# KiCad board Turbo_XT_Mainboard R3.kicad_pcb (continued)
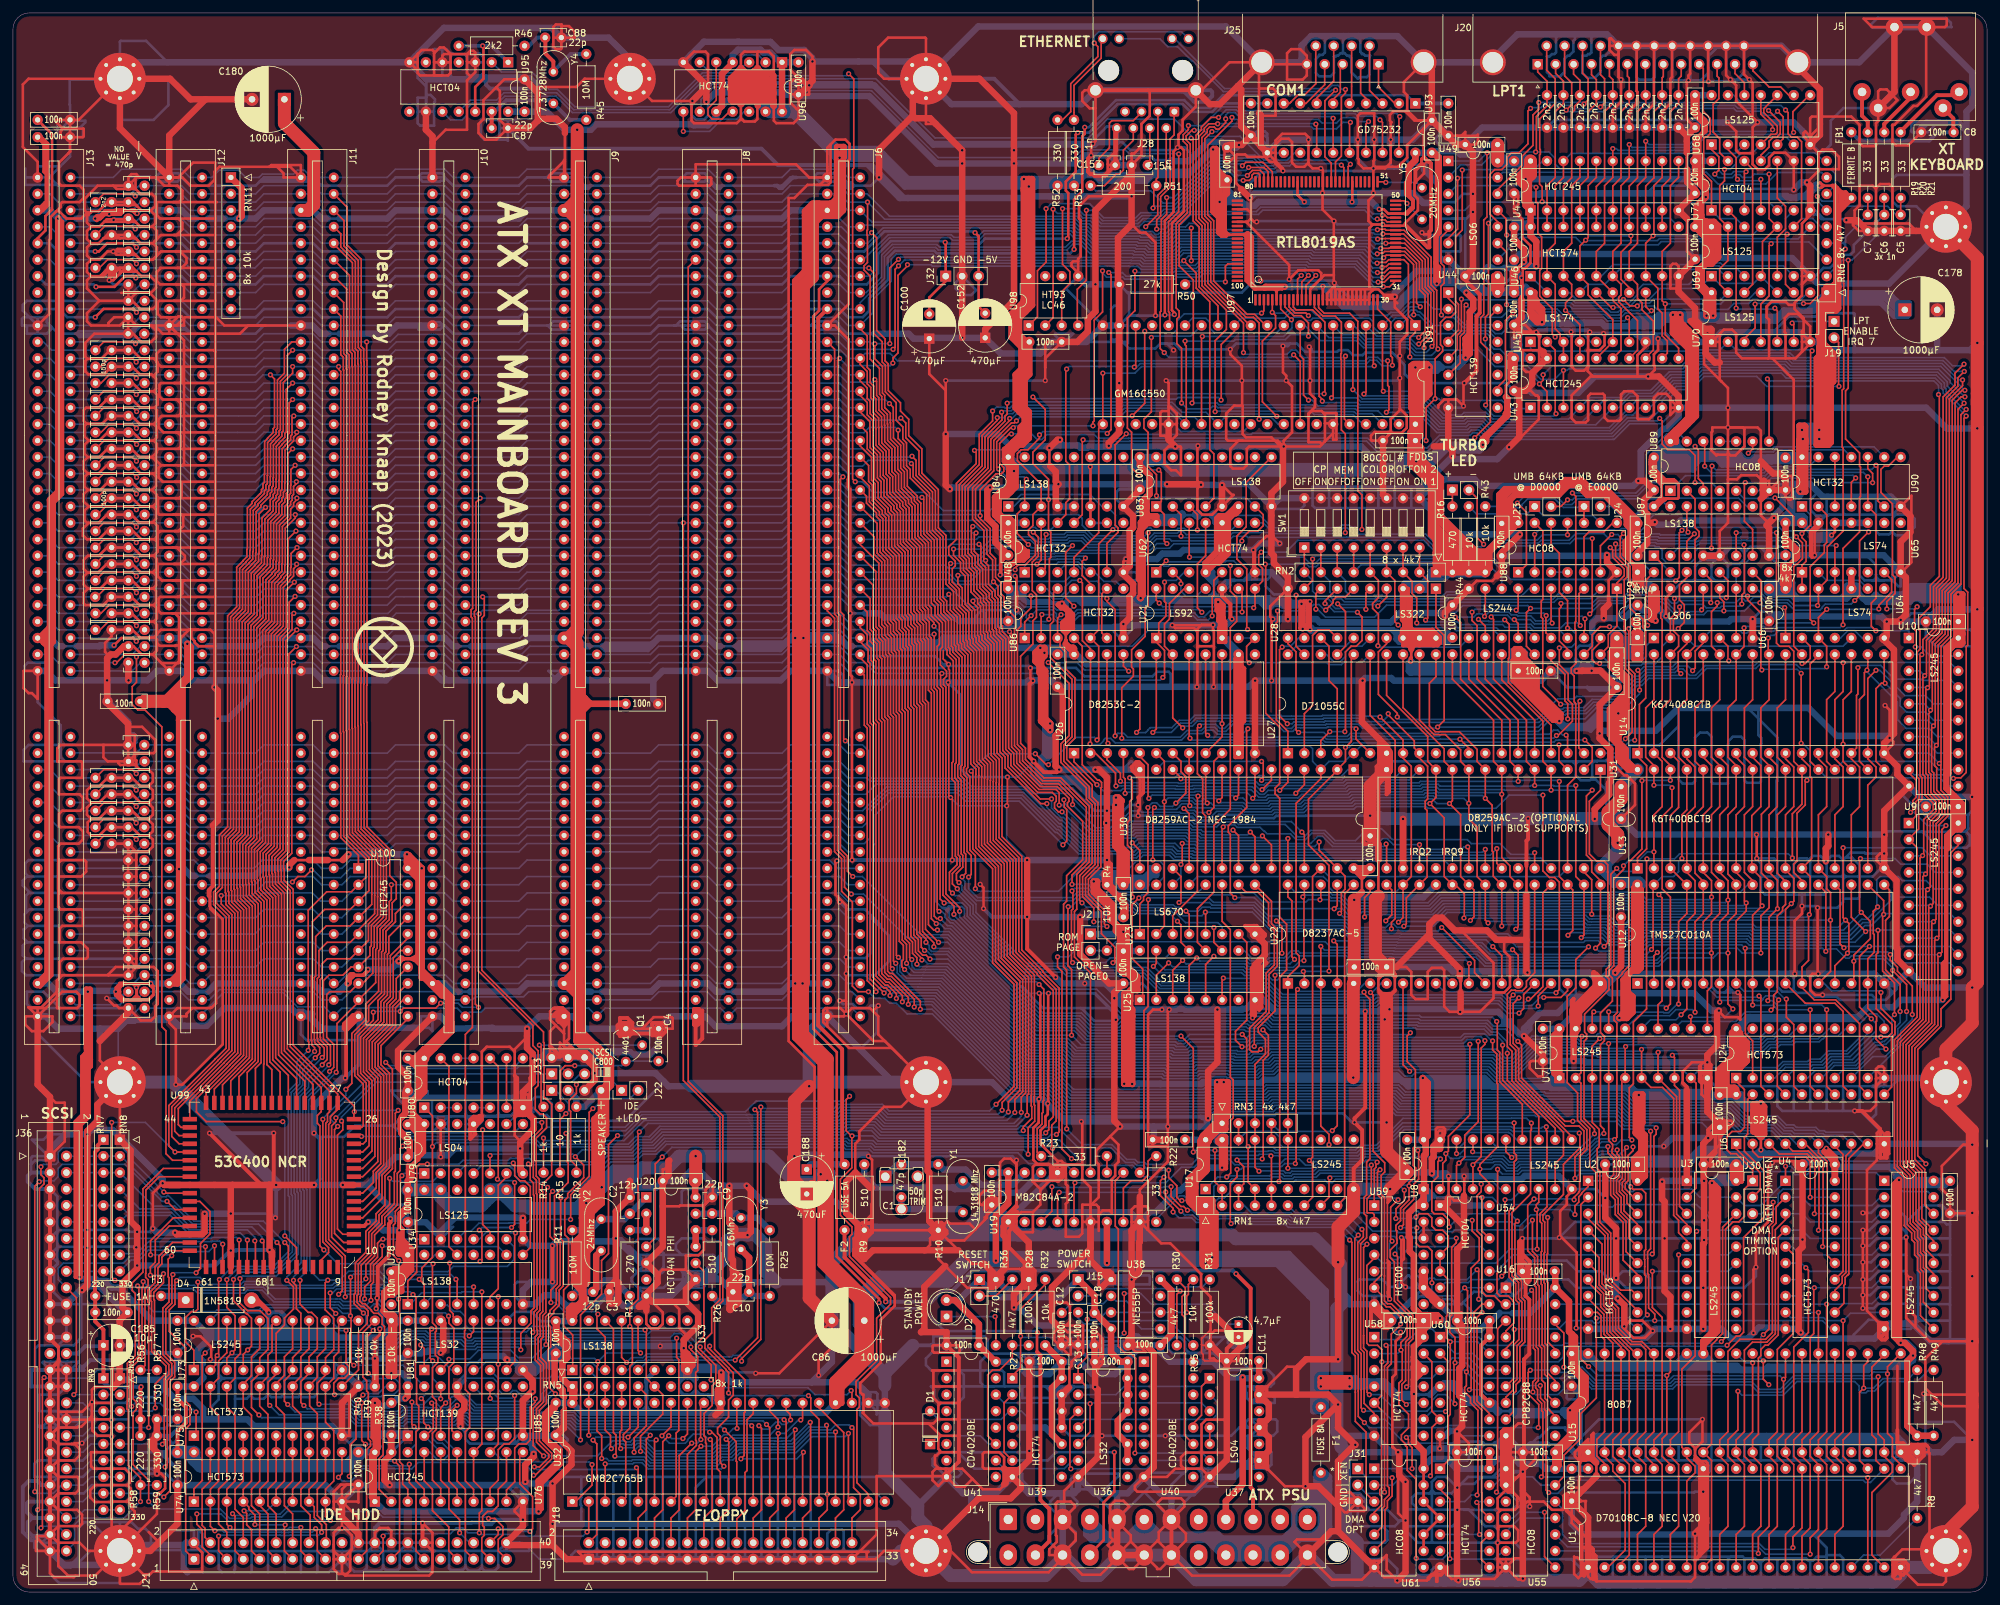
[diagram p0: board, top side]
## Routing (per net, layer and track width the routed paths; a pad name or vN(x,y) marks a point on that pad's centre or on a via; arc(x,y) is an arc through that point) (continued)
/BA2: length 358.7
  Top w0.25: v1(68.96,9.14) 68.96,11.18 67.31,12.83 67.31,16 66.04,17.27 U76.16 ; v1(64.64,29.19) 64.88,28.95 64.88,25.27 63.74,24.13 U85.2 ; v1(151.98,181.34) 151.98,180.94 149.64,178.59 149.64,173.89 146.57,170.82 146.57,160.01 147.2,159.38 147.2,157.99 147.92,157.27 147.92,154.42 148.94,153.4 148.94,152.67 149.39,152.22 149.39,147.93 149.61,147.71 149.61,147.03 150.58,146.06 150.58,129.01 151.38,128.21 151.38,125.16 151.36,125.13 151.36,116.06 154.41,113 154.41,98.59 157.71,95.28 157.71,76.53 157.67,76.48 157.67,75.25 157.76,75.16 157.76,72.71 156.75,71.7 v1(156.75,67.6) ; U91.26 181.16,180.52 181.16,192.42 180.97,192.6 v1(180.97,193.17) ; v1(84.56,60.89) 84.56,54.54 84.94,54.17 84.94,47.23 84.33,46.63 84.33,44.27 83.49,43.42 83.49,43.1 82.69,42.3 82.69,41.28 82.99,40.97 82.99,40.04 83.02,40.02 83.02,37.86 82.64,37.49 82.64,35.73 82.81,35.56 82.81,31.56 v1(83.76,30.61) ; U97.8 196.39,198.44 197.75,197.09 198.91,197.09 200.03,195.97 v1(200.03,193.93)
  Bottom w0.25: U91.26 180.97,180.44 178.61,182.8 171.63,182.8 171.19,182.37 154.75,182.37 154.33,181.95 153.57,181.95 152.96,181.34 v1(151.98,181.34) ; v1(68.96,9.14) 70.48,7.62 J21.36 ; v1(180.97,193.17) 188.49,193.17 188.72,193.4 196.45,193.4 197.23,194.18 199.77,194.18 v1(200.03,193.93) ; v1(84.56,60.89) 86.79,60.89 92.33,66.42 96.09,66.42 97.29,67.62 99.38,67.62 100.9,69.15 128.44,69.15 128.78,68.82 132.42,68.82 132.95,68.29 156.07,68.29 v1(156.75,67.6) ; U85.2 U76.16 ; U33.2 90.17,33.02 90.17,31.12 89.53,30.48 83.89,30.48 v1(83.76,30.61) 83.51,30.61 82.55,29.65 82.55,29.28 81.31,28.03 71.15,28.03 69.46,29.72 68.4,29.72 67.16,28.48 66.06,28.48 65.35,29.19 v1(64.64,29.19)
/BA3: length 359.5
  Top w0.25: v1(186.54,184.06) 186.56,184.08 186.56,192.66 188.59,194.69 U91.12 ; v1(66.81,29.2) 66.04,28.44 U85.3 ; 90.3,42.93 v1(90.31,42.91) 90.17,42.76 90.17,40.64 91.44,39.37 U33.3 ; v1(153.51,183.58) 153.51,181.91 153.17,181.57 153.17,180.82 150.54,178.19 150.54,173.52 147.47,170.45 147.47,160.39 148.1,159.75 148.1,158.36 148.82,157.64 148.82,154.88 149.84,153.85 149.84,153.04 150.29,152.59 150.29,148.3 150.51,148.08 150.51,147.4 151.48,146.43 151.48,129.38 152.28,128.59 152.28,124.78 152.26,124.76 152.26,116.48 155.31,113.42 155.31,98.96 158.61,95.66 158.61,95.53 161.07,93.07 161.07,72.76 160.39,72.08 160.39,68.65 v1(160.52,68.52) ; v1(200.02,197.1) 199.58,197.54 197.93,197.54 197.04,198.43 U97.9 ; J21.35 69.85,6.35 69.85,15.88 68.58,17.14 U76.15 ; v1(83.06,44.7) 83.06,46.63 84.04,47.61 84.04,53.79 82.93,54.9 82.93,61.48 v1(83.33,61.88)
  Bottom w0.25: U76.15 U85.3 ; v1(66.81,29.2) 67.78,30.17 69.65,30.17 71.34,28.48 81.06,28.48 82.1,29.52 82.1,30.02 85.1,33.02 87.28,33.02 87.63,33.37 87.63,34.69 88.36,35.42 89.43,35.42 90.55,34.29 U33.3 ; v1(200.02,197.1) 199.62,197.5 197.12,197.5 196.33,196.71 189.72,196.71 U91.12 ; v1(83.33,61.88) 87.02,61.88 92.02,66.87 95.9,66.87 97.11,68.07 99.19,68.07 100.72,69.6 128.63,69.6 128.96,69.27 132.61,69.27 133.14,68.74 160.31,68.74 v1(160.52,68.52) ; v1(83.06,44.7) 83.75,44.7 85.15,43.31 89.91,43.31 v1(90.31,42.91) ; v1(153.51,183.58) 153.72,183.79 170.7,183.79 171.12,184.21 179.64,184.21 179.89,184.46 186.14,184.46 v1(186.54,184.06)
/CLK: length 556
  Top w0.25: v1(226.06,14.99) 226.19,15.11 226.19,28.07 225.04,29.21 225.04,30.02 224.55,30.52 224.52,30.52 224.14,30.89 224.14,31.59 224.41,31.86 224.41,33.99 v1(224.41,33.99) 224.58,34.16 224.58,46.54 v1(224.14,46.98) ; v1(140.35,169.04) 140.62,168.76 140.62,163.41 141.8,162.23 141.8,152.72 142.37,152.15 142.37,150.81 143.51,149.66 143.51,145.92 143.19,145.6 143.19,143.16 144.15,142.19 144.15,141.41 143.67,140.94 143.67,140.11 144.05,139.74 144.05,107.81 146.17,105.69 v1(146.17,105.12) ; v1(66.04,90.93) 65.28,90.17 60.29,90.17 v1(59.79,89.67) ; 233.04,69.85 233.04,75.31 229.55,78.81 229.55,83.35 229.18,83.72 229.18,88.01 v1(229.09,88.1) ; v1(216.92,68.2) 217.04,68.07 217.04,63.75 216.28,62.99 216.28,60.65 214.7,59.06 214.7,56.71 v1(214.25,56.26) ; v1(19.06,169.55) 18.44,170.18 14.2,170.18 12.93,168.91 C113.2 ; v1(219.09,47.75) 219.09,52.69 218.44,53.34 217.17,53.34 216.68,53.83 216.68,56.15 v1(216.75,56.23) ; U99.23 54.08,69.22 54.53,69.67 54.53,78.62 53.22,79.93 53.22,85.88 55.64,88.3 v1(55.64,89.53) ; v1(72.14,168.91) 71.5,168.27 71.5,151.64 71.25,151.38 71.25,150.71 71.39,150.57 71.39,90.79 v1(71.88,90.3)
  Bottom w0.25: v1(140.35,169.04) 128.9,169.04 127.76,170.18 J6.20 120.01,170.18 118.75,168.91 108.58,168.91 107.31,170.18 J8.20 99.69,170.18 98.42,168.91 88.26,168.91 86.99,170.18 J9.20 79.38,170.18 78.1,168.91 v1(72.14,168.91) 67.95,168.91 66.67,170.18 J10.20 59.06,170.18 57.79,168.91 47.62,168.91 46.35,170.18 J11.20 38.73,170.18 37.46,168.91 27.3,168.91 26.03,170.18 J12.20 19.68,170.18 19.06,169.56 v1(19.06,169.55) ; v1(71.88,90.3) 69.38,90.3 68.75,90.93 v1(66.04,90.93) ; v1(216.92,68.2) 217.39,68.67 223.37,68.67 224.15,69.45 224.15,70.25 224.88,70.98 230.95,70.98 231.06,70.86 231.16,70.86 232.17,69.85 233.04,69.85 ; J13.20 5.71,170.18 6.98,168.91 C113.2 ; U58.3 215.9,34.29 217.17,33.02 219.07,33.02 U60.3 224.12,34.29 v1(224.41,33.99) 226.66,31.75 U60.11 ; v1(214.25,56.26) 216.72,56.26 v1(216.75,56.23) ; v1(226.06,14.99) 225.17,14.99 224.15,13.97 U56.3 ; v1(146.17,105.12) 146.17,104.27 155.75,94.68 158.81,94.68 160.4,93.09 167.31,93.09 171.29,89.11 190.78,89.11 191.04,89.37 194.06,89.37 194.71,88.72 211.06,88.72 211.59,89.24 212.06,89.24 212.26,89.04 217.16,89.04 217.43,88.77 228.42,88.77 v1(229.09,88.1) ; v1(55.64,89.53) 55.77,89.67 v1(59.79,89.67) ; v1(219.09,47.75) 219.09,46.58 219.93,45.74 222.9,45.74 v1(224.14,46.98) 224.15,46.99 U54.9
/COM1_CTS: length 10
  Top w0.25: J25.8 203.92,233.31 201.29,230.69 U93.7
/COM1_DCD: length 7.7
  Top w0.25: 214,229.87 213.36,229.87 210.84,232.38 J25.1
/COM1_DSR: length 9.7
  Top w0.25: J25.6 209.46,231.87 U93.3
/COM1_DTR: length 8.1
  Top w0.25: U93.8 199.63,229.87 201.93,232.17 201.94,232.17 202.53,232.76 J25.4
/COM1_RI: length 12.1
  Top w0.25: J25.9 201.15,232.9 199.39,231.14 198.36,231.14 197.36,230.14 197.36,230.12 197.1,229.87 U93.9
/COM1_RTS: length 9
  Top w0.25: 206.38,229.87 206.69,230.19 J25.7
/COM1_RX: length 6.4
  Top w0.25: U93.4 208.91,230.63 208.07,231.47 J25.2
/COM1_SIN: length 65.3
  Top w0.25: 193.68,195.58 193.44,195.58 191.72,197.3 190.56,197.3 185.4,202.46 185.4,211.73 184.47,212.66 184.47,223.4 188.21,227.15 v1(188.21,227.71) ; v1(209.3,227.08) 208.91,226.69 U93.17
  Bottom w0.25: v1(188.21,227.71) 188.53,227.39 201.57,227.39 202.12,226.84 204.37,226.84 205.2,227.67 207.23,227.67 207.83,227.08 v1(209.3,227.08)
/COM1_SOUT: length 61
  Top w0.25: U91.11 191.01,195.58 184.5,202.09 184.5,211.36 183.57,212.29 183.57,224.6 184.39,225.42 184.39,225.86 184.77,226.23 185.46,226.23 185.8,225.9 186.21,225.9 187.24,226.92 v1(187.24,227.49) ; U93.15 v1(203.83,227.57)
  Bottom w0.25: v1(187.24,227.49) 187.24,228.05 187.62,228.44 188.69,228.44 189.28,227.84 203.56,227.84 v1(203.83,227.57)
/COM1_TX: length 6.7
  Top w0.25: U93.6 203.83,230.48 204.94,231.59 204.94,235.56 J25.3
/CPU_CLK: length 192.7
  Top w0.25: U16.2 230,44.45 228.73,45.72 227.46,45.72 226.82,46.36 226.82,51.05 226.84,51.07 226.84,54.97 226.06,55.75 226.06,61.2 226.69,61.83 v1(226.69,62.99) ; U1.19 287.02,5.71 287.02,15.37 290.19,18.54 290.19,19.69 288.93,20.95 U15.19 288.93,23.5 287.99,24.43 v1(287.99,33.25) ; v1(234.67,30.89) 234.65,30.92 234.65,32.41 235.07,32.83 235.07,37.35 234.75,37.67 234.75,46.33 v1(234.47,46.61)
  Bottom w0.25: v1(287.99,33.25) 287.7,32.96 275.15,32.96 273.03,30.85 269.48,30.85 268.33,31.99 256.89,31.99 256.26,31.37 243.76,31.37 242.11,33.02 240.03,33.02 239.39,32.38 239.39,31.35 238.53,30.49 235.07,30.49 v1(234.67,30.89) ; v1(234.47,46.61) 232.32,44.45 U16.2 ; R22.2 176.53,57.59 180.12,61.18 180.82,61.18 181.03,60.96 185.17,60.96 185.42,61.21 185.42,62.63 186.15,63.36 187.75,63.36 188.2,63.81 194.22,63.81 194.54,64.12 195.82,64.12 196.13,63.82 197.57,63.82 197.83,64.08 201.24,64.08 201.83,64.67 210.54,64.67 210.73,64.49 213.74,64.49 214.76,63.47 216,63.47 216.08,63.39 226.29,63.39 v1(226.69,62.99) 227.09,63.39 228.47,63.39 229.63,62.23 U8.6
/D0: length 774.3
  Top w0.25: v1(215.68,190.72) 215.68,193.67 216.53,194.53 U91.1 216.53,195.94 215.45,197.02 215.45,205.04 214.76,205.74 212.42,205.74 211.99,205.32 210.74,205.32 v1(210.62,205.19) ; v1(102.47,39.2) 102.47,36.24 102.81,35.9 102.81,24.96 102.4,24.55 102.4,14.77 U32.7 ; v1(301.24,189.61) 299.85,188.21 299.85,186.38 298.01,184.54 298.01,156.69 296.53,155.21 296.53,148.71 294.9,147.07 294.9,144.93 v1(294.72,144.75) 294.45,144.48 294.45,126.05 294.76,125.74 294.76,122.36 294.23,121.83 294.23,117.83 292.74,116.33 U9.2 294,114.94 294,88.78 290.5,85.28 290.5,65.5 292.04,63.97 292.04,56.57 293.17,55.44 293.17,54.41 293.62,53.96 293.62,52.05 294.07,51.6 294.07,49.7 294.51,49.26 294.51,42.67 296.54,40.64 ; v1(45.59,83.65) 45.68,83.75 45.68,84.93 45.59,85.03 45.59,105.28 48.44,108.13 52.25,108.13 U100.2 54.51,110.39 54.51,113.25 51.07,116.69 51.07,132.79 51.01,132.85 51.01,141.47 51.07,141.53 51.07,188.67 51.01,188.73 51.01,190.67 50.62,191.06 50.62,197.03 J11.40 ; v1(236.26,187.97) 236.26,187.13 v1(235.68,186.55) 236.85,185.38 U43.2 ; v1(31.88,48.26) 31.75,48.13 31.75,36.75 v1(31.53,36.53) 31.28,36.28 31.28,35.09 U73.2
  Bottom w0.25: v1(301.24,189.61) 300.99,189.36 299.47,189.36 298.21,190.61 275.1,190.61 274.34,191.36 259.68,191.36 257.69,189.37 237.67,189.37 v1(236.26,187.97) ; v1(45.59,83.65) 43.84,81.9 43.84,78.65 42.51,77.31 42.51,61.22 42.7,61.03 42.7,52.73 40.25,50.29 33.91,50.29 v1(31.88,48.26) ; v1(102.47,39.2) 102.11,38.84 85.04,38.84 85,38.8 82.79,38.8 82.61,38.98 81.58,38.98 80.9,38.3 71.57,38.3 71.2,37.93 69.64,37.93 69.03,38.54 63.64,38.54 63.22,38.96 60.58,38.96 58.55,36.93 37.84,36.93 37.12,36.21 31.85,36.21 v1(31.53,36.53) ; v1(215.68,190.72) 215.96,190.44 219.58,190.44 220.91,191.77 226.28,191.77 228.8,189.25 230.42,189.25 230.82,188.85 233.55,188.85 235.68,186.72 v1(235.68,186.55) ; v1(210.62,205.19) 210.06,205.19 208.39,206.86 200.92,206.86 200.57,207.21 180.56,207.21 179.56,206.21 178.45,206.21 178.28,206.04 174.9,206.04 174.43,206.51 173.04,206.51 172.86,206.69 166.29,206.69 164.85,208.13 163.62,208.13 162.72,207.24 142.87,207.24 142.47,207.64 135.96,207.64 134.56,206.24 134.56,202.84 130.81,199.1 J6.40 128.9,198.12 127.63,199.39 120.01,199.39 118.75,198.12 J8.40 108.58,198.12 107.31,199.39 99.69,199.39 98.42,198.12 J9.40 88.26,198.12 86.99,199.39 79.38,199.39 78.1,198.12 J10.40 67.94,198.12 66.67,199.39 59.05,199.39 57.78,198.12 J11.40 47.62,198.12 46.35,199.39 38.73,199.39 37.46,198.12 J12.40 27.3,198.12 26.03,199.39 C122.1 19.59,199.39 18.32,198.12 J13.40 ; U10.2 294.69,144.78 v1(294.72,144.75)
/D1: length 774.4
  Top w0.25: U32.8 104.14,21.27 105.52,22.64 105.52,23.34 105.41,23.45 105.41,33.89 105.73,34.2 105.73,36.37 104.67,37.43 v1(104.67,37.85) ; U73.3 33.02,36.14 v1(33.82,36.94) 34.29,37.41 34.29,42.67 33.02,43.94 v1(33.02,48.23) ; 296.54,43.18 294.96,44.76 294.96,49.44 294.52,49.89 294.52,51.79 294.07,52.24 294.07,54.14 293.62,54.59 293.62,55.62 292.49,56.76 292.49,64.16 290.95,65.69 290.95,85.09 294.45,88.59 294.45,113.32 v1(294.85,113.72) 295.02,113.89 295.02,119.29 296.48,120.74 296.48,121.83 295.23,123.08 295.23,125.91 294.9,126.24 294.9,141.23 v1(295.17,141.51) 295.45,141.78 295.45,146.99 296.98,148.52 296.98,155.02 298.52,156.56 298.52,184.41 300.3,186.19 300.3,187.5 v1(301.28,188.48) ; v1(216.28,197.23) 216.26,197.25 216.26,205 214.81,206.44 212.04,206.44 v1(211.64,206.04) ; v1(46.57,83.49) 46.57,84.05 46.13,84.5 46.13,85.12 46.08,85.17 46.08,95.11 46.23,95.26 46.23,103.5 48.13,105.41 52.07,105.41 U100.3 54.96,108.3 54.96,113.43 51.52,116.88 51.52,132.97 51.46,133.03 51.46,141.29 51.52,141.35 51.52,188.85 51.46,188.91 51.46,190.86 51.07,191.25 51.07,199.12 J11.39 ; U43.3 v1(239.39,188.65)
  Bottom w0.25: v1(104.67,37.85) 104.67,38.41 103.16,39.93 102.12,39.93 101.49,39.29 84.86,39.29 84.82,39.25 82.98,39.25 82.79,39.43 81.29,39.43 80.6,38.75 71.36,38.75 70.99,38.38 69.82,38.38 69.22,38.99 63.83,38.99 63.41,39.41 60.39,39.41 58.36,37.38 37.65,37.38 36.93,36.66 34.1,36.66 v1(33.82,36.94) ; J13.39 18.41,200.66 19.68,201.93 C123.1 26.03,201.93 27.3,200.66 J12.39 37.46,200.66 38.73,201.93 46.35,201.93 47.62,200.66 J11.39 57.78,200.66 59.05,201.93 66.67,201.93 67.94,200.66 J10.39 78.1,200.66 79.38,201.93 86.99,201.93 88.26,200.66 J9.39 98.42,200.66 99.69,201.93 107.31,201.93 108.58,200.66 J8.39 118.75,200.66 120.01,201.93 127.63,201.93 128.9,200.66 J6.39 131.74,200.66 134.11,203.03 134.11,206.43 135.77,208.09 142.65,208.09 143.05,207.69 162.54,207.69 163.43,208.58 165.03,208.58 166.48,207.14 173.05,207.14 173.23,206.96 174.62,206.96 175.08,206.49 178.1,206.49 178.27,206.66 179.38,206.66 180.37,207.66 200.76,207.66 201.1,207.31 208.71,207.31 210.11,205.92 211.52,205.92 v1(211.64,206.04) ; v1(294.85,113.72) 294.8,113.66 U9.3 ; v1(301.28,188.48) 299.7,188.48 298.02,190.16 274.91,190.16 274.16,190.91 259.87,190.91 257.84,188.88 240.2,188.88 239.96,188.65 v1(239.39,188.65) 237.99,187.24 235.91,187.24 233.78,189.37 231.23,189.37 230.5,190.1 230.5,191.01 229.6,191.91 228.69,191.91 228.07,192.54 228.07,193.86 227.62,194.31 219.96,194.31 217.04,197.23 v1(216.28,197.23) 215.84,197.23 214.19,195.58 214,195.58 ; v1(295.17,141.51) 294.44,142.24 U10.3 ; v1(33.02,48.23) 33.02,48.3 34.56,49.84 40.44,49.84 43.15,52.55 43.15,61.21 42.96,61.4 42.96,77.13 44.29,78.46 44.29,81.2 v1(46.57,83.49)
/D2: length 784.8
  Top w0.25: 296.54,45.72 295.41,46.85 295.41,49.63 294.97,50.07 294.97,51.98 294.52,52.43 294.52,54.33 294.07,54.78 294.07,55.81 292.94,56.94 292.94,64.34 291.4,65.88 291.4,84.91 294.9,88.4 294.9,110.48 295.57,111.15 295.57,119.2 296.93,120.56 296.93,122.01 295.68,123.26 295.68,126.09 295.35,126.42 295.35,139.37 v1(295.62,139.64) 295.9,139.92 295.9,146.8 297.43,148.33 297.43,154.84 298.97,156.38 298.97,184.23 301.02,186.28 v1(301.02,187.17) ; U73.4 35.56,36.7 v1(36.24,37.39) 36.83,37.97 36.83,42.29 36.14,42.98 36.04,42.98 34.05,44.97 v1(34.05,48.26) ; v1(210.64,206.64) 210.76,206.76 211.53,206.76 211.79,207.01 214.88,207.01 216.71,205.18 216.71,199.05 v1(217.29,198.46) ; J11.38 51.52,201.21 51.52,191.44 51.91,191.04 51.91,189.1 51.97,189.04 51.97,141.16 51.91,141.1 51.91,133.22 51.97,133.16 51.97,117.06 55.41,113.62 55.41,107.74 55.4,107.73 55.4,106.2 U100.4 52.07,102.87 48.39,102.87 46.74,101.22 46.74,95.13 46.53,94.92 46.53,85.36 46.58,85.3 46.58,84.86 47.37,84.08 47.37,83.19 v1(46.67,82.49) ; U32.9 107.06,14.35 107.06,22.92 106.94,23.05 106.94,23.9 106.71,24.12 106.71,27.58 107.95,28.81 107.95,31.82 108.52,32.39 108.52,35 106.12,37.41 v1(106.12,37.85) ; U91.3 211.45,185.55 v1(211.58,185.42)
  Bottom w0.25: U10.4 295.56,139.7 v1(295.62,139.64) ; v1(301.02,187.17) 300.38,187.17 297.84,189.71 274.72,189.71 273.97,190.46 260.05,190.46 258.02,188.43 255.74,188.43 252.86,185.55 249.32,185.55 248.23,184.46 243.51,184.46 U43.4 240.2,181.14 228.47,181.14 227.47,182.14 224.05,182.14 223.67,181.75 220.97,181.75 217.31,185.42 v1(211.58,185.42) ; v1(34.05,48.26) 34.05,48.47 34.97,49.39 40.63,49.39 43.6,52.36 43.6,61.4 43.41,61.59 43.41,76.94 44.74,78.27 44.74,80.56 v1(46.67,82.49) ; J13.38 14.42,203.2 14.51,203.29 18.31,203.29 19.49,204.47 C124.1 26.03,204.47 27.3,203.2 J12.38 37.46,203.2 38.73,204.47 46.35,204.47 47.62,203.2 J11.38 57.78,203.2 59.05,204.47 66.67,204.47 67.94,203.2 J10.38 78.1,203.2 79.38,204.47 86.99,204.47 88.26,203.2 J9.38 98.42,203.2 99.69,204.47 107.31,204.47 108.58,203.2 J8.38 118.75,203.2 120.01,204.47 127.63,204.47 128.9,203.2 J6.38 132.21,203.2 133.06,204.05 133.06,206.86 135.33,209.14 144.68,209.14 145.08,208.74 149.08,208.74 150.08,209.74 163.19,209.74 163.9,209.03 165.22,209.03 166.66,207.59 173.23,207.59 173.42,207.41 174.8,207.41 175.27,206.94 177.91,206.94 178.08,207.11 179.19,207.11 180.19,208.11 200.95,208.11 201.29,207.76 208.96,207.76 210.08,206.64 v1(210.64,206.64) ; v1(295.3,110.88) 295.05,111.12 U9.4 ; U91.3 213.03,197.16 214.43,197.16 215.73,198.46 v1(217.29,198.46) ; v1(36.24,37.39) 36.69,37.83 58.18,37.83 60.21,39.86 63.59,39.86 64.02,39.44 69.5,39.44 70.11,38.83 70.8,38.83 71.17,39.2 80.42,39.2 81.1,39.88 82.98,39.88 83.17,39.7 84.63,39.7 84.67,39.74 97.95,39.74 98.58,40.38 103.59,40.38 v1(106.12,37.85)
/D3: length 787.6
  Top w0.25: U32.10 109.22,18.54 108.71,19.05 108.71,23.88 107.9,24.69 v1(107.57,24.69) ; 296.54,48.26 296.54,49.13 295.42,50.26 295.42,52.16 294.97,52.61 294.97,54.52 294.52,54.97 294.52,56 293.39,57.13 293.39,64.53 291.85,66.06 291.85,84.72 295.35,88.22 295.35,108.18 296.02,108.86 296.02,119.02 297.38,120.37 297.38,122.2 296.13,123.45 296.13,126.28 295.8,126.61 295.8,135.65 296.35,136.2 296.35,146.61 297.88,148.15 297.88,154.65 299.42,156.19 299.42,184.04 300.95,185.57 v1(301.37,185.57) ; v1(208.59,184.99) 208.91,185.32 U91.4 ; v1(37.97,27.34) 36.83,28.48 36.83,32.51 38.1,33.78 U73.5 38.1,36.19 39.37,37.46 39.37,42.23 38.17,43.43 36.22,43.43 35.05,44.61 v1(35.05,48.4) ; v1(211.19,207.48) 212.46,207.48 212.54,207.56 214.97,207.56 217.16,205.37 217.16,201.12 218.03,200.25 218.03,194.71 v1(217.04,193.73) ; v1(47.75,82.55) 48.06,82.86 48.06,84.01 47.03,85.04 47.03,85.49 46.98,85.54 46.98,94.73 47.24,95 47.24,99.06 48.51,100.33 52.07,100.33 U100.5 53.34,102.25 55.85,104.75 55.85,107.54 55.86,107.56 55.86,113.81 52.42,117.25 52.42,133.35 52.36,133.4 52.36,140.92 52.42,140.97 52.42,189.23 52.36,189.28 52.36,191.23 51.97,191.62 51.97,203.3 J11.37
  Bottom w0.25: v1(301.37,185.57) 301.34,185.57 297.65,189.26 274.54,189.26 273.79,190.01 260.24,190.01 258.21,187.98 255.93,187.98 253.04,185.1 249.51,185.1 248.42,184.01 245.6,184.01 U43.5 242.29,180.69 228.28,180.69 227.28,181.69 224.24,181.69 223.85,181.3 220.78,181.3 217.39,184.7 208.89,184.7 v1(208.59,184.99) ; U9.5 295.5,108.59 v1(295.62,108.46) ; v1(37.97,27.34) 38.39,26.92 51.82,26.92 53.09,25.65 60.33,25.65 60.93,26.26 62.83,26.26 62.88,26.21 64.49,26.21 64.92,25.78 68.27,25.78 68.8,26.3 69.64,26.3 70.16,25.78 82.24,25.78 82.43,25.98 85.88,25.98 86.77,25.08 107.17,25.08 v1(107.57,24.69) ; U10.5 295.09,137.16 v1(296.07,136.17) ; U91.4 210.54,193.95 216.82,193.95 v1(217.04,193.73) ; v1(211.19,207.48) 210.24,207.48 209.51,208.21 201.48,208.21 201.13,208.56 180,208.56 179.01,207.56 177.89,207.56 177.72,207.39 175.46,207.39 174.99,207.86 173.6,207.86 173.42,208.04 166.85,208.04 165.41,209.48 164.08,209.48 163.38,210.19 149.89,210.19 148.89,209.19 145.27,209.19 144.87,209.59 135.15,209.59 131.3,205.74 J6.37 128.9,205.74 127.63,207.01 120.01,207.01 118.75,205.74 J8.37 108.58,205.74 107.31,207.01 99.69,207.01 98.42,205.74 J9.37 88.26,205.74 86.99,207.01 79.38,207.01 78.1,205.74 J10.37 67.94,205.74 66.67,207.01 59.05,207.01 57.78,205.74 J11.37 47.62,205.74 46.35,207.01 38.73,207.01 37.46,205.74 J12.37 27.3,205.74 26.03,207.01 C125.1 19.45,207.01 18.18,205.74 J13.37 ; v1(47.75,82.55) 45.19,79.99 45.19,78.09 43.86,76.76 43.86,61.78 44.05,61.59 44.05,52.17 40.67,48.8 35.45,48.8 v1(35.05,48.4)
/D4: length 784.8
  Top w0.25: v1(109.86,25.03) 111.67,23.21 111.67,20.23 111.76,20.14 U32.11 ; 206.38,195.58 206.88,195.07 v1(206.88,185.67) ; J11.36 49.53,208.15 52.42,205.26 52.42,191.81 52.81,191.42 52.81,189.47 52.87,189.41 52.87,140.79 52.81,140.73 52.81,133.59 52.87,133.53 52.87,117.43 56.31,113.99 56.31,107.37 56.3,107.36 56.3,104.57 54.88,103.15 54.88,100.6 U100.6 52.07,97.79 48.51,97.79 47.75,97.03 47.75,94.87 47.43,94.55 47.43,85.73 47.48,85.68 47.48,85.23 48.51,84.2 48.51,82.23 47.75,81.46 v1(47.75,81.41) ; v1(39.65,28.82) 39.37,29.09 39.37,32.38 40.64,33.66 U73.6 40.64,39.95 41.91,41.22 41.91,42.29 43.31,43.69 43.31,47.12 v1(42.29,48.13) ; 296.54,50.8 296.54,51.67 295.42,52.8 295.42,54.7 294.97,55.15 294.97,56.18 293.84,57.32 293.84,64.71 292.3,66.25 292.3,84.53 295.8,88.03 295.8,105.64 v1(296.07,105.92) 296.47,106.32 296.47,118.83 297.83,120.19 297.83,122.38 296.58,123.64 296.58,126.47 296.25,126.8 296.25,133.46 v1(296.52,133.74) 296.8,134.01 296.8,146.43 298.33,147.96 298.33,154.47 299.87,156 299.87,183.63 300.81,184.57 v1(301.38,184.57) ; v1(217.05,192.72) 217.11,192.72 218.48,194.09 218.48,200.44 217.61,201.3 217.61,205.56 214.89,208.27 v1(211.96,208.27)
  Bottom w0.25: v1(296.07,105.92) 295.95,106.05 U9.6 ; v1(206.88,185.67) 208.31,184.25 217.21,184.25 220.6,180.85 224.04,180.85 224.42,181.24 227.1,181.24 228.1,180.24 244.38,180.24 U43.6 247.93,182.88 249.69,184.65 253.23,184.65 256.11,187.53 258.39,187.53 260.42,189.56 273.6,189.56 274.35,188.81 297.35,188.81 299.11,187.05 299.11,186.8 301.34,184.57 v1(301.38,184.57) ; v1(296.52,133.74) 295.64,134.62 U10.6 ; v1(42.29,48.13) 42.29,48.64 44.5,50.85 44.5,61.77 44.31,61.96 44.31,76.57 45.64,77.9 45.64,79.29 v1(47.75,81.41) ; v1(109.86,25.03) 109.35,25.53 86.96,25.53 86.07,26.43 82.24,26.43 82.05,26.23 70.34,26.23 69.82,26.75 68.61,26.75 68.09,26.23 65.13,26.23 64.69,26.66 63.32,26.66 63.27,26.71 60.74,26.71 60.14,26.1 53.27,26.1 52,27.37 41.09,27.37 v1(39.65,28.82) ; v1(217.05,192.72) 216.61,192.72 215.83,193.5 209.09,193.5 207.01,195.58 206.38,195.58 ; J13.36 18.18,208.28 19.45,209.55 C126.1 26.03,209.55 27.3,208.28 J12.36 37.46,208.28 38.73,209.55 46.35,209.55 47.62,208.28 J11.36 57.78,208.28 59.05,209.55 66.67,209.55 67.94,208.28 J10.36 78.1,208.28 79.38,209.55 86.99,209.55 88.26,208.28 J9.36 98.42,208.28 99.69,209.55 107.31,209.55 108.58,208.28 J8.36 118.75,208.28 120.16,209.69 127.49,209.69 128.9,208.28 J6.36 131.97,208.28 134.33,210.64 163.56,210.64 164.27,209.93 165.59,209.93 167.04,208.49 173.61,208.49 173.79,208.31 175.18,208.31 175.64,207.84 177.54,207.84 177.71,208.01 178.82,208.01 179.82,209.01 201.32,209.01 201.61,208.71 209.84,208.71 210.36,208.19 211.05,208.19 211.13,208.27 v1(211.96,208.27)
/D5: length 792.9
  Top w0.25: v1(210.7,208.92) 210.78,208.99 211.88,208.99 211.89,209.01 214.8,209.01 218.06,205.74 218.06,201.49 218.93,200.62 218.93,193.77 217.87,192.71 v1(217.87,192.15) ; v1(43.31,48.14) 43.31,47.75 43.76,47.3 43.76,43.75 44.45,43.05 44.45,37.46 43.18,36.19 U73.7 43.18,33.91 41.91,32.64 41.91,29.47 v1(42.42,28.96) ; v1(114.06,25.69) 114.3,25.45 U32.12 ; 296.54,53.34 296.54,54.21 295.42,55.34 295.42,56.37 294.29,57.5 294.29,64.9 292.75,66.44 292.75,84.35 296.26,87.86 296.26,103.22 296.92,103.88 296.92,118.64 298.28,120 298.28,122.57 297.03,123.82 297.03,127.28 296.7,127.61 296.7,130.48 v1(296.97,130.75) 297.25,131.03 297.25,146.24 298.78,147.77 298.78,154.28 300.32,155.82 300.32,182.64 v1(301.26,183.58) ; U91.6 203.83,184.66 v1(203.58,184.4) ; v1(48.77,81.41) 49.02,81.66 49.02,84.33 47.93,85.42 47.93,94.42 48.77,95.25 50.94,95.25 52.21,96.52 U100.7 55.11,98.29 55.11,99.57 55.33,99.8 55.33,102.97 56.75,104.38 56.75,107.17 56.76,107.18 56.76,114.18 53.32,117.62 53.32,133.72 53.26,133.78 53.26,140.54 53.32,140.6 53.32,189.6 53.26,189.66 53.26,191.6 52.87,192 52.87,205.45 50.62,207.7 50.62,209.73 J11.35
  Bottom w0.25: v1(114.06,25.69) 113.76,25.98 87.15,25.98 86.25,26.88 82.06,26.88 81.87,26.68 70.53,26.68 70.01,27.2 68.43,27.2 67.9,26.68 65.31,26.68 64.88,27.11 63.51,27.11 63.46,27.16 60.55,27.16 59.95,26.55 53.46,26.55 52.19,27.82 43.56,27.82 v1(42.42,28.96) ; v1(210.7,208.92) 210.45,209.18 201.78,209.18 201.5,209.46 179.63,209.46 178.63,208.46 177.52,208.46 177.35,208.29 175.83,208.29 175.36,208.76 173.98,208.76 173.79,208.94 167.22,208.94 165.78,210.38 164.45,210.38 163.75,211.09 131.08,211.09 J6.35 128.9,210.82 127.63,212.09 120.01,212.09 118.75,210.82 J8.35 108.58,210.82 107.31,212.09 99.69,212.09 98.42,210.82 J9.35 88.26,210.82 86.99,212.09 79.38,212.09 78.1,210.82 J10.35 67.94,210.82 66.67,212.09 59.05,212.09 57.78,210.82 J11.35 47.62,210.82 46.35,212.09 38.73,212.09 37.46,210.82 J12.35 27.3,210.82 26.03,212.09 C127.1 19.43,212.09 18.16,210.82 J13.35 ; U10.7 295.65,132.08 v1(296.97,130.75) ; v1(301.26,183.58) 301.26,183.64 298.66,186.23 298.66,186.87 297.16,188.36 274.16,188.36 273.41,189.11 260.61,189.11 258.58,187.08 256.3,187.08 253.42,184.2 250.87,184.2 U43.7 246.47,179.79 227.91,179.79 226.91,180.79 224.61,180.79 224.22,180.4 220.41,180.4 217.02,183.79 208.11,183.79 207.5,184.4 v1(203.58,184.4) ; v1(48.77,81.41) 48.77,81.34 46.23,78.8 46.23,77.85 44.76,76.38 44.76,62.15 44.95,61.96 44.95,50.28 43.31,48.65 v1(43.31,48.14) ; U9.7 v1(296.54,103.5) ; U91.6 205.26,194.16 207.8,194.16 208.91,193.05 215.65,193.05 216.7,192 217.72,192 v1(217.87,192.15)
/D6: length 801.9
  Top w0.25: v1(219.1,192.35) 219.38,192.63 219.38,200.81 218.51,201.68 218.51,205.93 214.72,209.72 v1(211.53,209.72) ; 296.54,55.88 294.74,57.69 294.74,65.09 293.2,66.62 293.2,84.16 296.71,87.67 296.71,100.62 v1(297.05,100.97) 297.37,101.29 297.37,118.46 298.73,119.81 298.73,122.76 297.68,123.81 297.68,127.7 v1(297.42,127.96) 297.7,128.23 297.7,146.05 299.23,147.59 299.23,154.09 300.77,155.63 300.77,181.81 v1(301.58,182.62) ; U91.7 201.68,195.2 201.68,184.66 202.16,184.17 v1(202.16,183.9) ; J11.34 51.11,211.78 51.11,207.84 53.32,205.63 53.32,192.18 53.71,191.79 53.71,189.84 53.77,189.79 53.77,140.41 53.71,140.36 53.71,133.96 53.77,133.91 53.77,117.81 57.21,114.37 57.21,107 57.2,106.99 57.2,104.19 55.78,102.78 55.78,99.61 55.56,99.39 55.56,95.57 53.97,93.98 U100.8 52.07,92.71 48.89,92.71 48.44,92.26 48.44,85.67 49.53,84.58 49.53,81.03 v1(48.89,80.39) ; v1(44.32,48.13) 44.32,44.45 45.59,43.18 46.12,43.18 46.99,42.31 46.99,37.59 45.72,36.32 U73.8 45.72,33.78 44.45,32.51 44.45,29.27 v1(44.92,28.8) ; U32.13 116.84,25.39 v1(116.35,25.88)